# Altium PCB ControlBoard.PcbDoc
Units mil, origin at the board's own origin, x right, y up, seen from the top; angles counter-clockwise.
Board outline 3385.83 x 2488.19 mil, 2 copper layers (Top Layer, Bottom Layer); 86 components, 104 nets, 311 pads, 26 vias.
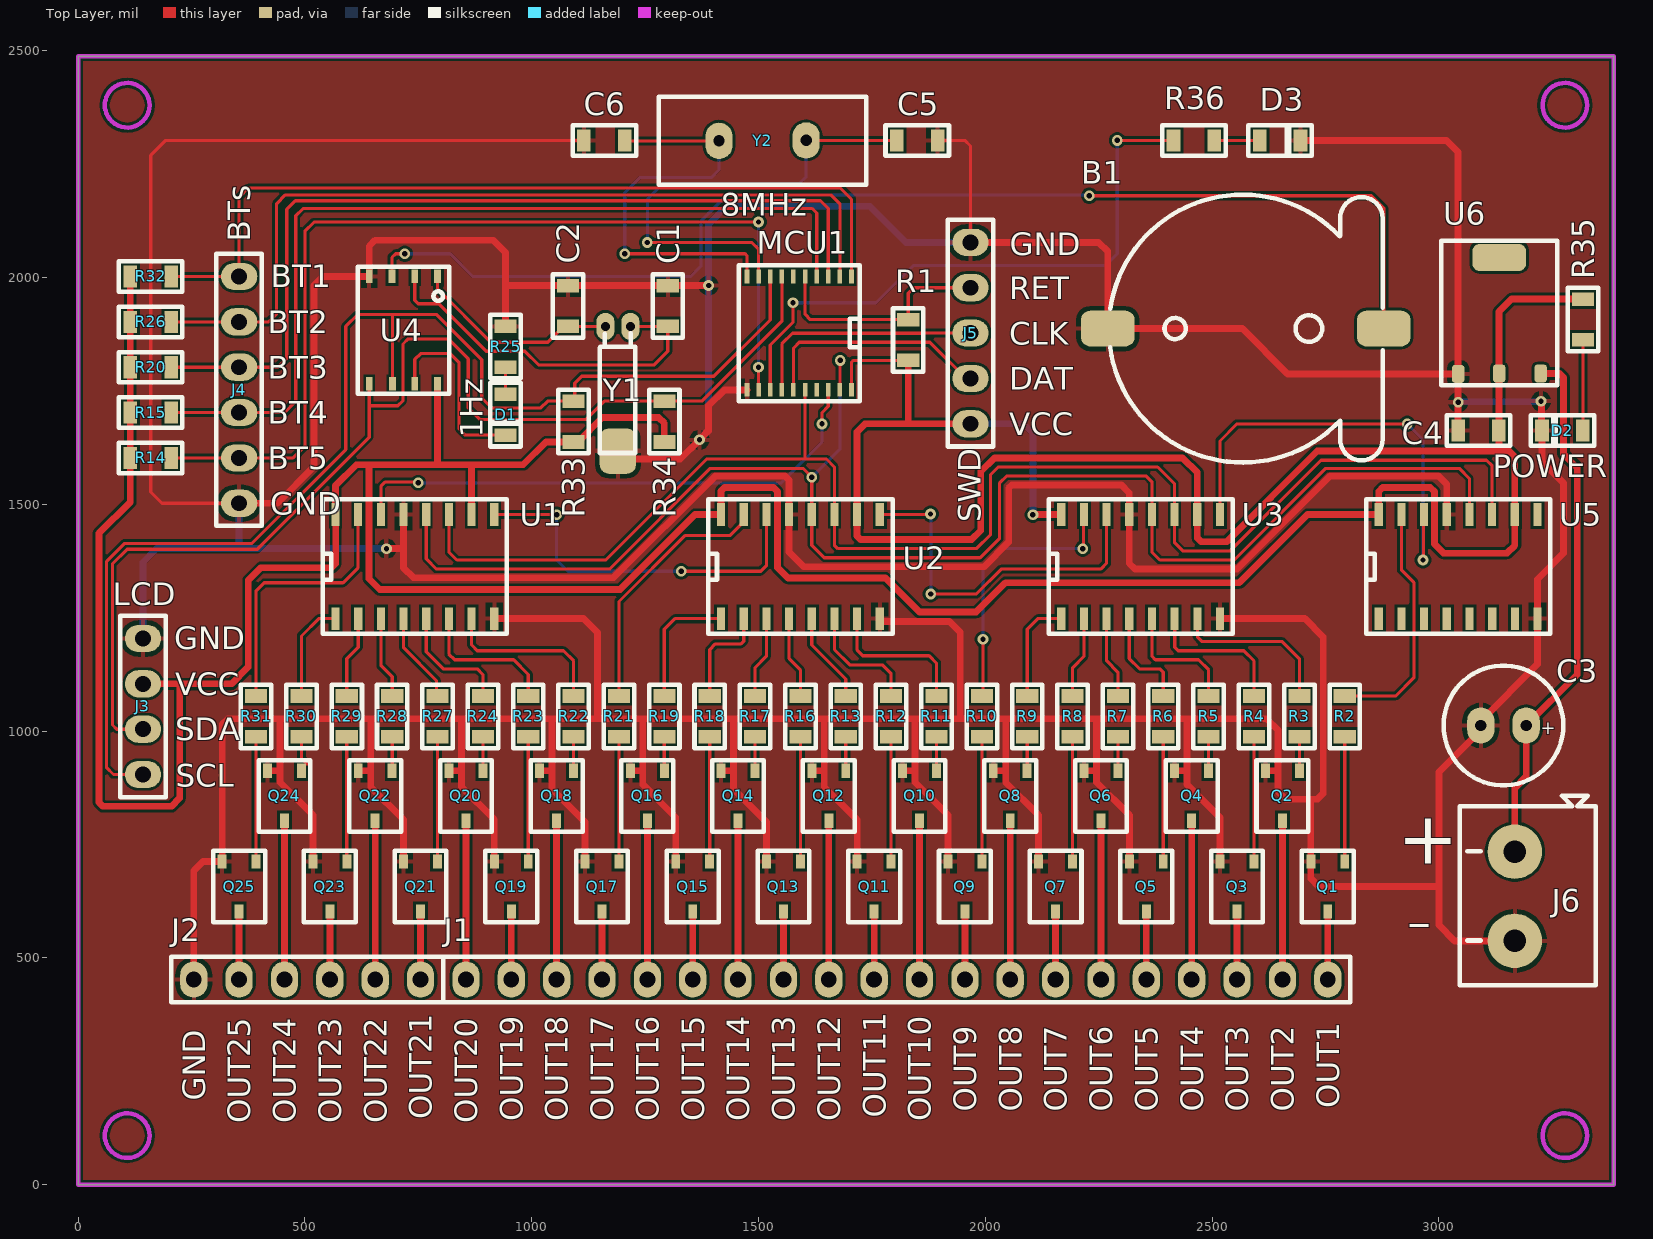
[diagram p0: Top Layer view]
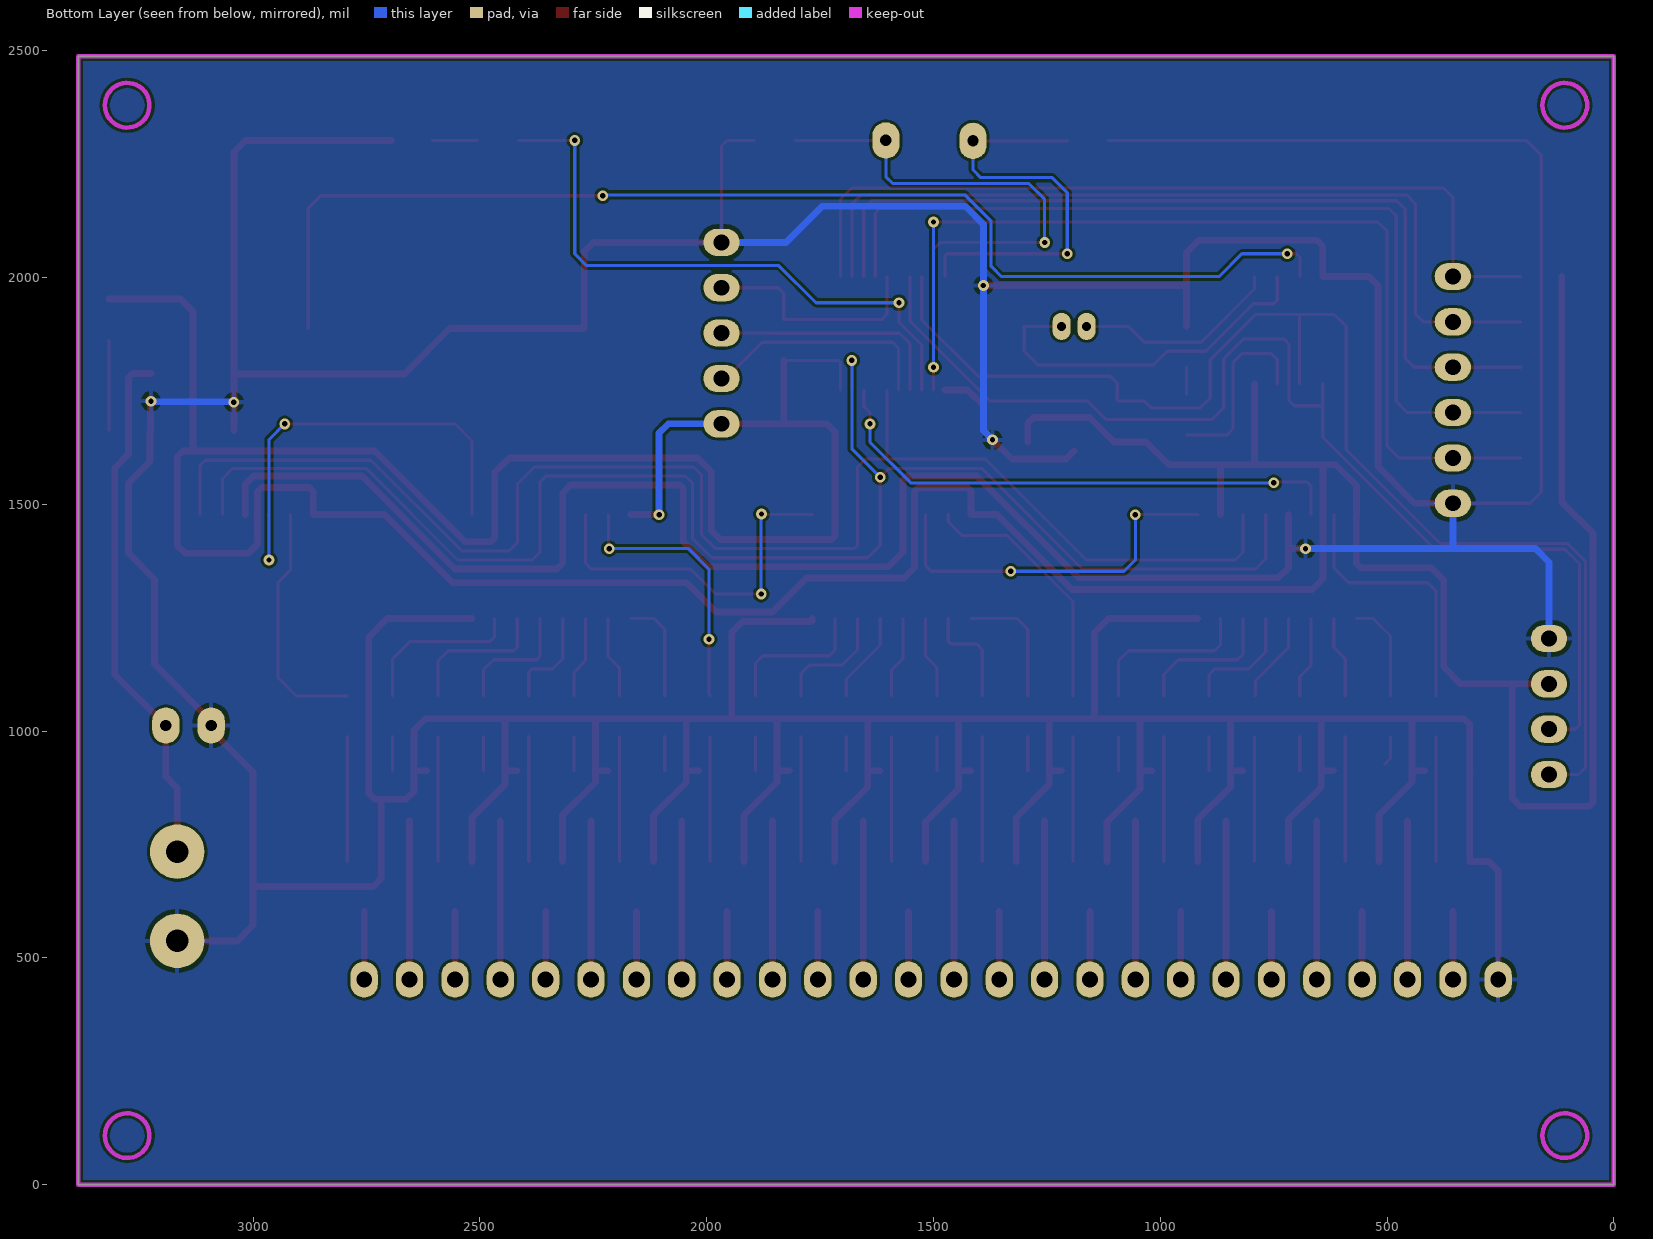
[diagram p1: Bottom Layer view, seen from below]
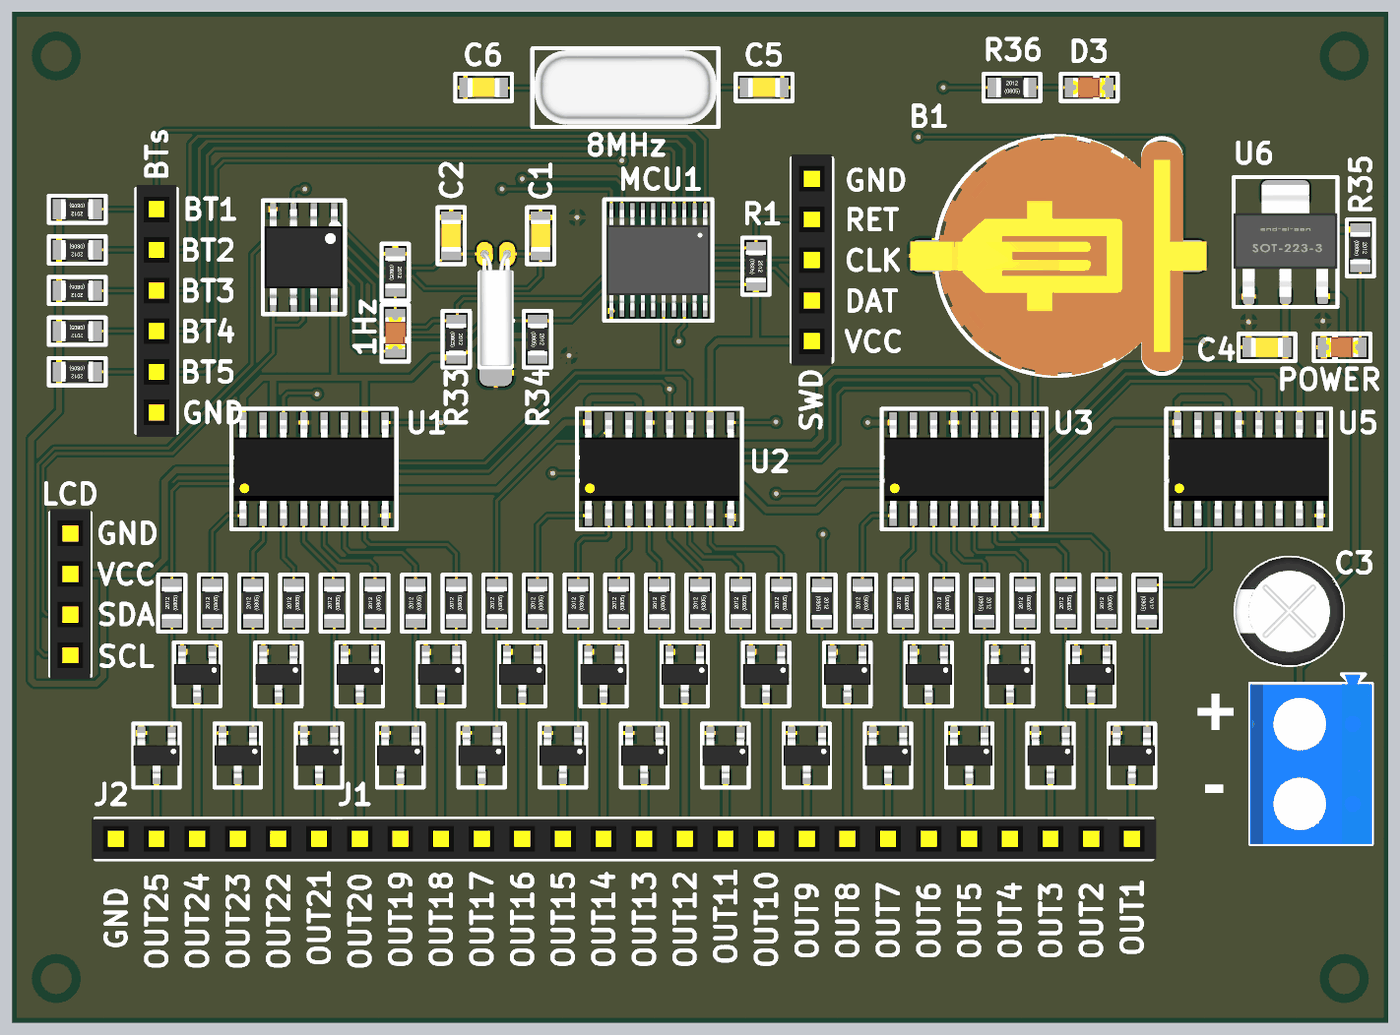
[diagram p2: 3D render of the assembled board from above, using the file's embedded part models]

## Layer stack, top to bottom
Top Solder: solder mask 0.4, Solder Resist, Dk 3.5
Top Layer: signal copper 1.4
Dielectric 1: dielectric 12.6, FR-4, Dk 4.8
Bottom Layer: signal copper 1.4
Bottom Solder: solder mask 0.4, Solder Resist, Dk 3.5

## Board outline
0,0 3385.82,0 3385.82,2488.19 0,2488.19

## Design rules (kind name [scope] priority, off if disabled: settings)
Clearance [All] p1: gap=5.91 ignorepadtopadclearanceinfootprint=FALSE
PolygonConnect [All] p1: connectstyle=Relief reliefconductorwidth=10 reliefentries=4 polygonreliefangle="90 Angle" airgapwidth=10
RoutingVias [All] p1: holewidth=11.81 width=23.62 viastyle="Through Hole" minholewidth=11.81 minwidth=23.62 maxholewidth=11.81 maxwidth=23.62
SolderMaskExpansion [All] p1: expansion=4 istentingtop=FALSE
Width [All] p1: maxlimit=15 minlimit=7 preferedwidth=10
30 further rules are at their usual default settings.

## Components (designator, comment, footprint, x,y, rotation, side; value= is the part's Value field where it differs from the comment)
B1 "Batery" CR1220 2567.41,1887.56 r90 top
C1 "104" C0805 1300,1937.32 r90 top
C2 "104" C0805 1080,1937.32 r90 top
C3 "10uF" CAP_RAD_D06.3x11 3142.41,1012.56 r180 top
C4 "104" C0805 3087.41,1662.56 r0 top
C5 "104" C0805 1850,2302.32 r0 top
C6 "104" C0805 1160,2302.32 r180 top
D1 "1Hz" L0805RED 942.41,1697.56 r270 top
D2 "POWER" L0805RED 3272.41,1662.56 r180 top
D3 "TEST" L0805RED 2650,2302.32 r0 top
J1 "HEADER-FEMALE-2.54MM" HEADER-FEMALE-20PINS-2.54MM 1805,452.32 r180 top
J2 "HEADER-FEMALE-2.54MM" HEADER-FEMALE-06PINS-2.54MM 505,452.32 r180 top
J3 "LCD" HEADER-FEMALE-04PINS-2.54MM 143,1054.32 r270 top
J4 "BTs" HEADER-FEMALE-06PINS-2.54MM 355,1752.32 r270 top
J5 "SWD" HEADER-FEMALE-05PINS-2.54MM 1967.41,1877.56 r90 top
J6 "KF306" DG306-5.0-02P-12-00AH 3167.41,635.98 r270 top
MCU1 "Mini58FDE" TSSOP20_0.65_4.4 1589.85,1877.32 r270 top
Q1 "2N3904" SOT23-3 2755,657.44 r180 top
Q2 "2N3904" SOT23-3 2655,857.44 r180 top
Q3 "2N3904" SOT23-3 2555,657.44 r180 top
Q4 "2N3904" SOT23-3 2455,857.44 r180 top
Q5 "2N3904" SOT23-3 2355,657.44 r180 top
Q6 "2N3904" SOT23-3 2255,857.44 r180 top
Q7 "2N3904" SOT23-3 2155,657.44 r180 top
Q8 "2N3904" SOT23-3 2055,857.44 r180 top
Q9 "2N3904" SOT23-3 1955,657.44 r180 top
Q10 "2N3904" SOT23-3 1855,857.44 r180 top
Q11 "2N3904" SOT23-3 1755,657.44 r180 top
Q12 "2N3904" SOT23-3 1655,857.44 r180 top
Q13 "2N3904" SOT23-3 1555,657.44 r180 top
Q14 "2N3904" SOT23-3 1455,857.44 r180 top
Q15 "2N3904" SOT23-3 1355,657.44 r180 top
Q16 "2N3904" SOT23-3 1255,857.44 r180 top
Q17 "2N3904" SOT23-3 1155,657.44 r180 top
Q18 "2N3904" SOT23-3 1055,857.44 r180 top
Q19 "2N3904" SOT23-3 955,657.44 r180 top
Q20 "2N3904" SOT23-3 855,857.44 r180 top
Q21 "2N3904" SOT23-3 755,657.44 r180 top
Q22 "2N3904" SOT23-3 655,857.44 r180 top
Q23 "2N3904" SOT23-3 555,657.44 r180 top
Q24 "2N3904" SOT23-3 455,857.44 r180 top
Q25 "2N3904" SOT23-3 355,657.44 r180 top
R1 "10k" R0805 1830,1862.32 r270 top
R2 "10k" R0805 2792.41,1032.56 r270 top
R3 "10k" R0805 2692.41,1032.56 r90 top
R4 "10k" R0805 2592.41,1032.56 r90 top
R5 "10k" R0805 2492.41,1032.56 r90 top
R6 "10k" R0805 2392.41,1032.56 r270 top
R7 "10k" R0805 2292.41,1032.56 r90 top
R8 "10k" R0805 2192.41,1032.56 r90 top
R9 "10k" R0805 2092.41,1032.56 r90 top
R10 "10k" R0805 1992.41,1032.56 r270 top
R11 "10k" R0805 1892.41,1032.56 r90 top
R12 "10k" R0805 1792.41,1032.56 r90 top
R13 "10k" R0805 1692.41,1032.56 r90 top
R14 "10k" R0805 160,1602.32 r180 top
R15 "10k" R0805 160,1702.32 r180 top
R16 "10k" R0805 1592.41,1032.56 r90 top
R17 "10k" R0805 1492.41,1032.56 r90 top
R18 "10k" R0805 1392.41,1032.56 r90 top
R19 "10k" R0805 1292.41,1032.56 r90 top
R20 "10k" R0805 160,1802.32 r180 top
R21 "10k" R0805 1192.41,1032.56 r90 top
R22 "10k" R0805 1092.41,1032.56 r90 top
R23 "10k" R0805 992.41,1032.56 r90 top
R24 "10k" R0805 892.41,1032.56 r90 top
R25 "10k" R0805 942.41,1847.56 r270 top
R26 "10k" R0805 160,1902.32 r180 top
R27 "10k" R0805 792.41,1032.56 r90 top
R28 "10k" R0805 692.41,1032.56 r90 top
R29 "10k" R0805 592.41,1032.56 r90 top
R30 "10k" R0805 492.41,1032.56 r90 top
R31 "10k" R0805 392.41,1032.56 r90 top
R32 "10k" R0805 160,2002.32 r180 top
R33 "10k" R0805 1092.41,1682.56 r270 top
R34 "10k" R0805 1292.41,1682.56 r270 top
R35 "10k" R0805 3317.41,1907.56 r270 top
R36 "10k" R0805 2460,2302.32 r0 top
U1 "74HC595D" SO16 742.45,1362.77 r90 top
U2 "74HC595D" SO16 1592.45,1362.77 r90 top
U3 "74HC595D" SO16 2342.45,1362.77 r90 top
U4 "RealTime" SOIC08_1.27_6.0 717.11,1884.29 r270 top
U5 "74HC595D" SO16 3042.45,1362.77 r90 top
U6 "AMS1117" SOT223-3 3132.96,1924.37 r0 top
Y1 "32.768KHz" DT-26 1190,1892.32 r90 top
Y2 "8MHz" HC-49S 1412.88,2302.32 r0 top

## Footprints (in the part's own frame and the unit in brackets; to place one, negate y for a bottom-side part, rotate by r counter-clockwise, add the part's x,y. Pads: shape width x height; smd on the part's side, far side on the other; paste and mask are expansions set on the pad)
C0805 [mil]
  rect 30x48.82 smd: 1(-45,0) 2(45,0)
  silkscreen extent -70,-33 70,33, body extent -39,-24 39,24, height 39
CAP_RAD_D06.3x11 [mil]
  oval 60x80 hole 25: 1(-50,0) 2(50,0)
  silkscreen extent -132,-132 132,132, body extent -134,-134 134,134, height 492
CR1220 [mm]
  rrect50% 2x3 smd: 1(0,-7.9) 2(0,7.55)
  silkscreen extent -7.5,-7.84 7.5,7.43, body extent -7.5,-9.42 7.5,9.07, height 4.04
DG306-5.0-02P-12-00AH [mil] "• Current rating: 10 A AC/DC  • Voltage rating: 300 V AC/DC  • Temperature range: -30° ~ +120°  • Applicable wire: 22-14AWG UL (0.5 - 1.5mm² IEC)"
  round 120 hole 50: 1(-98.43,0) 2(98.43,0)
  silkscreen extent -221,-121 197,178, body extent -221,-121 196,178, height 394
DT-26 [mil]
  oval 60x40 hole 20: 1(0,27.56) 2(0,-27.56)
  rrect50% 100x80 smd: 3(-275,0)
  silkscreen extent -279,-38 -15,40, body extent -275,-39 6,39, height 79
HC-49S [mil]
  oval 60x80 hole 25: 1(0,-1) 2(192.13,0)
  silkscreen extent -133,-97 325,96, body extent -127,-92 319,92, height 138
HEADER-FEMALE-04PINS-2.54MM [mil]
  oval 60x80 hole 35: 1(-150,0) 2(-50,0) 3(50,0) 4(150,0)
  silkscreen extent -200,-50 200,50, body extent -210,-49 210,49, height 197
HEADER-FEMALE-05PINS-2.54MM [mil]
  oval 60x80 hole 35: 1(-200,0) 2(-100,0) 3(0,0) 4(100,0) 5(200,0)
  silkscreen extent -250,-50 250,50, body extent -260,-49 260,49, height 197
HEADER-FEMALE-06PINS-2.54MM [mil]
  oval 60x80 hole 35: 1(-250,0) 2(-150,0) 3(-50,0) 4(50,0) 5(150,0) 6(250,0)
  silkscreen extent -300,-50 300,50, body extent -310,-49 310,49, height 197
HEADER-FEMALE-20PINS-2.54MM [mil]
  oval 60x80 hole 35: 1(-950,0) 2(-850,0) 3(-750,0) 4(-650,0) 5(-550,0) 6(-450,0) 7(-350,0) 8(-250,0) 9(-150,0) 10(-50,0) 11(50,0) 12(150,0) 13(250,0) 14(350,0) 15(450,0) 16(550,0) 17(650,0) 18(750,0) 19(850,0) 20(950,0)
  silkscreen extent -1000,-50 1000,50, body extent -1010,-49 1010,49, height 197
L0805RED [mil]
  rect 30x48.82 smd: 1(-45,0) 2(45,0)
  silkscreen extent -70,-35 70,35, body extent -39,-25 39,25, height 43
R0805 [mil]
  rect 30x48.82 smd: 1(-45,0) 2(45,0)
  silkscreen extent -70,-33 70,33, body extent -39,-25 40,25, height 18
SO16 [mil]
  rect 50x18 smd: 1(-114.78,174.95) 2(-114.78,124.95) 3(-114.78,74.95) 4(-114.78,24.95) 5(-114.78,-25.05) 6(-114.78,-75.05) 7(-114.78,-125.05) 8(-114.78,-175.05) 9(114.78,-174.95) 10(114.78,-124.95) 11(114.78,-74.95) 12(114.78,-24.95) 13(114.78,25.05) 14(114.78,75.05) 15(114.78,125.05) 16(114.78,175.05)
  silkscreen extent -148,-203 149,203, body extent -121,-196 121,196, height 69
SOIC08_1.27_6.0 [mil]
  rect 30x15 smd: 1(-118.27,75.3) 2(-118.27,25.1) 3(-118.27,-25.1) 4(-118.27,-75.3) 5(118.27,-75.3) 6(118.27,-24.11) 7(118.27,25.1) 8(118.27,75.3)
  silkscreen extent -140,-101 140,101, body extent -118,-96 118,96, height 69
SOT23-3 [mm]
  rect 0.5x0.8 smd: 1(-0.95,-1.4) 2(0.95,-1.4) 3(0,1.4)
  silkscreen extent -1.45,-2 1.45,2, body extent -1.45,-1.4 1.45,1.4, height 1.3
SOT223-3 [mm]
  rrect50% 0.7x1 smd: 1(-2.3,-3.475) 2(0,-3.45) 3(2.325,-3.45)
  rrect50% 3x1.5 smd: 4(0,3.048)
  silkscreen extent -3.25,-4.11 3.25,3.99, body extent -3.25,-3.5 3.25,3.5, height 1.7
TSSOP20_0.65_4.4 [mil]
  rect 30x10 smd: 1(-125,115.16) 2(-125,89.57) 3(-125,63.98) 4(-125,38.39) 5(-125,12.8) 6(-125,-12.8) 7(-125,-38.39) 8(-125,-63.98) 9(-125,-89.57) 10(-125,-115.16) 11(125,-115.16) 12(125,-89.57) 13(125,-63.98) 14(125,-38.39) 15(125,-12.8) 16(125,12.8) 17(125,38.39) 18(125,63.98) 19(125,89.57) 20(125,115.16)
  silkscreen extent -150,-133 150,133, body extent -124,-128 124,128, height 43

## Part data
C1 C2 C4 C5 C6: library part Capacitors(SMD)
C3: library part Capacitor(Radian)
D1 D2 D3: library part LED0805
J1: library part HEADER-FEMALE-20PINS-2.54MM
J2 J4: library part HEADER-FEMALE-06PINS-2.54MM
J3: library part HEADER-FEMALE-04PINS-2.54MM
J5: library part HEADER-FEMALE-05PINS-2.54MM
J6: library part DG306-5.0-02P-12-00AH
MCU1: library part Mcu-Mini58FDE, "Novoton 4Kb-RAM 32Kb-Flash"
Q1 Q2 Q3 Q4 Q5 Q6 Q7 Q8 Q9 Q10 Q11 Q12 Q13 Q14 Q15 Q16 Q17 Q18 Q19 Q20 Q21 Q22 Q23 Q24 Q25: library part "Transistor-2N3904 (SOT-23)"
R1 R2 R3 R4 R5 R6 R7 R8 R9 R10 R11 R12 R13 R14 R15 R16 R17 R18 R19 R20 R21 R22 R23 R24 R25 R26 R27 R28 R29 R30 R31 R32 R33 R34 R35 R36: library part Resistors-SMD
U1 U2 U3 U5: library part Ic-74HC595D
U4: library part RealTime-DS1307
U6: library part Ic-AMS1117(SOT-223)
Y1: library part "Crystal 32.768KHz"
Y2: library part Crystal

## Via types
v1: diameter 23.62, hole 11.81, Top Layer to Bottom Layer, tented both sides, 26 vias

## Nets (pads, with @x,y where several pads share a name; then routed paths per layer and width w, separated by ;. In a path a pad name is that pad's centre, name@x,y a point inside that pad or via, vN(x,y) a via of type N, cw(c..) or ccw(c..) an arc to the next point about the centre after c; other vN are vias at no path point)
BT1: J4.1 MCU1.1 R32.1 | length 1863.6
  Top Layer w7: R32.1 J4.1 355,2177.32 375,2197.32 1680,2197.32 1705,2172.32 MCU1.1
BT2: J4.2 MCU1.2 R26.1 | length 1901
  Top Layer w7: R26.1 J4.2 420,1902.32 437.5,1919.82 437.5,2162.82 457,2182.32 1659.41,2182.32 1679.41,2162.32 MCU1.2
BT3: J4.3 MCU1.3 R20.1 | length 1950.1
  Top Layer w7: R20.1 J4.3 440,1802.32 460,1822.32 460,2150.32 479.1,2169.42 1636.73,2169.42 1653.82,2152.32 MCU1.3
BT4: J4.4 MCU1.4 R15.1 | length 1993.4
  Top Layer w7: R15.1 J4.4 455,1702.32 480,1727.32 480,2136.32 496,2152.32 1618.23,2152.32 1628.23,2142.32 MCU1.4
BT5: J4.5 MCU1.12 R14.1 | length 2158.2
  Top Layer w7: R14.1 J4.5 474,1602.32 500,1628.32 500,2102.32 520,2122.32 v1(1500,2122.32) ; v1(1500,1802.32) 1500.28,1802.05 MCU1.12
  Bottom Layer w7: v1(1500,1802.32) v1(1500,2122.32)
GND: B1.2 C1.2 C2.2 C3.2 C4.1 C5.2 C6.2 D2.2 D3.2 J2.6 J3.1 J4.6 J5.5 J6.2 MCU1.11 Q1.2 Q2.2 Q3.2 Q4.2 Q5.2 Q6.2 Q7.2 Q8.2 Q9.2 Q10.2 Q11.2 Q12.2 Q13.2 Q14.2 Q15.2 Q16.2 Q17.2 Q18.2 Q19.2 Q20.2 Q21.2 Q22.2 Q23.2 Q24.2 Q25.2 R25.1 U1.8 U1.13 U2.8 U2.13 U3.8 U3.13 U4.4 U5.8 U5.13 U6.1 Y1.3 | length 22557.7
  Top Layer w7: J4.6 185,1502.32 160,1527.32 160,2269.32 193,2302.32 C6.2 ; C5.2 1955,2302.32 1967.41,2289.92 J5.5
  Top Layer w15: J2.6 255,692.32 275.24,712.56 Q25.2 317.6,902.32 ; 317.37,902.56 317.6,902.32 ; J4.6 439,1502.32 520,1583.32 520,1982.32 540.24,2002.56 U4.4 641.81,2069.13 655,2082.32 915,2082.32 942.41,2054.92 942.41,1982.32 ; Q24.2 444.77,912.56 445,912.32 ; Q23.2 517.6,814.72 445,887.32 445,912.32 ; Q22.2 644.77,912.56 645,912.32 ; v1(680,1402.32) 717.41,1402.32 ; U1.13 717.41,1402.32 ; Q21.2 717.6,804.72 645,877.32 645,912.32 ; Q20.2 844.77,912.56 845,912.32 ; U1.8 1114.33,1247.99 1145,1217.32 1145,1027.32 ; Q19.2 917.6,804.72 845,877.32 845,912.32 ; R25.1 942.41,1982.32 ; Q18.2 1044.77,912.56 1045,912.32 ; Q17.2 1117.6,799.72 1045,872.32 1045,912.32 ; Y1.3 1207.5,1599.82 1327.5,1599.82 v1(1370,1642.32) 1390,1662.32 1390,1717.32 1425,1752.32 MCU1.11 ; Q16.2 1244.77,912.56 1245,912.32 ; Q15.2 1317.6,809.72 1245,882.32 1245,912.32 ; v1(1390,1982.32) C1.2 C2.2 942.41,1982.32 ; Q14.2 1444.77,912.56 1445,912.32 ; Q13.2 1517.6,799.72 1445,872.32 1445,912.32 ; Q12.2 1644.77,912.56 1645,912.32 ; Q11.2 1717.6,804.72 1645,877.32 1645,912.32 ; U2.8 1767.5,1242.92 1769,1241.42 1920.91,1241.42 1945,1217.32 1945,1027.32 ; Q10.2 1844.77,912.56 1845,912.32 ; Q9.2 1917.6,814.72 1845,887.32 1845,912.32 ; J5.5 2249.77,2077.56 2270.16,2057.16 B1.2 2566.7,1887.56 2666.7,1787.56 U6.1 ; Q8.2 2044.77,912.56 2045,912.32 ; Q7.2 2117.6,814.72 2045,887.32 2045,912.32 ; Q6.2 2244.77,912.56 2245,912.32 ; Q5.2 2317.6,814.72 2245,887.32 2245,912.32 ; Q4.2 2444.77,912.56 2445,912.32 ; U3.8 2704.33,1247.99 2745,1207.32 2745,862.32 2732.6,849.92 2662.41,849.92 2645,867.32 2645,912.32 ; Q3.2 2517.6,809.72 2445,882.32 2445,912.32 ; Q2.2 2644.77,912.56 2645,912.32 ; D3.2 3017,2302.32 3042.41,2276.92 U6.1 ; 2717.6,847.32 Q1.2 2717.6,674.72 2735,657.32 3000,657.32 ; U5.13 3017.41,1544.06 2999.15,1562.32 2760.44,1562.32 2555.44,1357.32 2330,1357.32 2317.41,1369.92 U3.13 2317.41,1524.92 2300,1542.32 2058.32,1542.32 2051.65,1535.64 2051.65,1417.01 1996.96,1362.32 1600,1362.32 1567.41,1394.92 U2.13 1567.41,1553.53 1558.62,1562.32 1404.86,1562.32 1180.76,1338.23 739.1,1338.23 717.41,1359.92 717.41,1402.32 ; C4.1 v1(3042.41,1725.06) U6.1 ; J6.2 3034.77,537.56 3000,572.32 3000,657.32 ; v1(3225,1727.32) 3226.2,1726.12 3226.2,1663.76 D2.2 3227.41,1594.92 3275,1547.32 3275,1392.32 3217.5,1334.81 U5.8 3217.5,1147.65 3092.41,1022.56 C3.2 3092.41,1002.56 3000,910.16 3000,657.32 ; 317.6,902.32 317.6,1014.92 330,1027.32 445,1027.32 ; 445,912.32 445,1027.32 ; 445,1027.32 645,1027.32 ; 645,912.32 645,1027.32 ; 645,1027.32 845,1027.32 ; 845,912.32 845,1027.32 ; 845,1027.32 1045,1027.32 ; 1045,912.32 1045,1027.32 ; 1045,1027.32 1145,1027.32 ; 1145,1027.32 1245,1027.32 ; 1245,912.32 1245,1027.32 ; 1245,1027.32 1445,1027.32 ; 1445,912.32 1445,1027.32 ; 1445,1027.32 1645,1027.32 ; 1645,912.32 1645,1027.32 ; 1645,1027.32 1845,1027.32 ; 1845,912.32 1845,1027.32 ; 1845,1027.32 1945,1027.32 ; 1945,1027.32 2045,1027.32 ; 2045,912.32 2045,1027.32 ; 2045,1027.32 2245,1027.32 ; 2245,912.32 2245,1027.32 ; 2245,1027.32 2445,1027.32 ; 2445,912.32 2445,1027.32 ; 2445,1027.32 2620,1027.32 2645,1002.32 2645,912.32
  Bottom Layer w15: J3.1 143,1372.32 173,1402.32 v1(680,1402.32) ; 355,1404.32 J4.6 ; v1(1370,1642.32) 1390,1662.32 v1(1390,1982.32) 1390,2117.32 1430,2157.32 1745,2157.32 1825,2077.32 1967.17,2077.32 J5.5 ; v1(3042.41,1725.06) 3043.54,1726.19 3223.87,1726.19 v1(3225,1727.32)
IN1: R2.1 U5.15 | length 540.7
  Top Layer w7: R2.1 2905.24,1077.56 2945,1117.32 2945,1327.89 2917.41,1355.49 U5.15
IN2: R3.2 U3.7 | length 367.2
  Top Layer w7: U3.7 2467.5,1207.99 2478.17,1197.32 2655,1197.32 2692.41,1159.92 R3.2
IN3: R4.2 U3.6 | length 327.8
  Top Layer w7: U3.6 2417.5,1184.83 2425,1177.32 2570,1177.32 2592.41,1154.92 R4.2
IN4: R5.2 U3.5 | length 277.8
  Top Layer w7: U3.5 2367.5,1164.83 2375,1157.32 2470,1157.32 2492.41,1134.92 R5.2
IN5: R6.1 U3.4 | length 227.8
  Top Layer w7: U3.4 2317.5,1159.83 2340,1137.32 2385,1137.32 2392.41,1129.92 R6.1
IN6: R7.2 U3.3 | length 180.8
  Top Layer w7: U3.3 2267.5,1154.83 2292.41,1129.92 R7.2
IN7: R8.2 U3.2 | length 180.8
  Top Layer w7: R8.2 2192.41,1139.72 2217.5,1164.81 U3.2
IN8: R9.2 U3.1 | length 231.9
  Top Layer w7: R9.2 2092.41,1224.72 2115.67,1247.99 U3.1
IN9: R10.1 U3.15 | length 595.7
  Top Layer w7: R10.1 1995,1080.16 v1(1995,1202.32) ; v1(2215,1402.32) 2216.2,1403.52 2216.2,1476.36 U3.15
  Bottom Layer w7: v1(1995,1202.32) 1995,1357.32 2040,1402.32 v1(2215,1402.32)
IN10: R11.2 U2.7 | length 328.5
  Top Layer w7: U2.7 1717.5,1178.63 1730,1166.12 1876.2,1166.12 1892.41,1149.92 R11.2
IN11: R12.2 U2.6 | length 264.2
  Top Layer w7: U2.6 1667.5,1179.83 1701.2,1146.12 1772.92,1146.12 1792.41,1126.64 R12.2
IN12: R13.2 U2.5 | length 201.5
  Top Layer w7: U2.5 1617.5,1189.83 1692.41,1114.92 R13.2
IN13: R16.2 U2.4 | length 180.8
  Top Layer w7: U2.4 1567.5,1159.83 1592.41,1134.92 R16.2
IN14: R17.2 U2.3 | length 180.8
  Top Layer w7: R17.2 1492.41,1139.72 1517.5,1164.81 U2.3
IN15: R18.2 U2.2 | length 234.7
  Top Layer w7: R18.2 1392.41,1179.72 1405,1192.32 1461.64,1192.32 1467.5,1198.18 U2.2
IN16: R19.2 U2.1 | length 281.9
  Top Layer w7: R19.2 1292.41,1224.72 1315.67,1247.99 U2.1
IN17: R21.2 U2.15 | length 572.1
  Top Layer w7: R21.2 1192.41,1285.82 1337.73,1431.14 1436.99,1431.14 1467.41,1461.56 U2.15
IN18: R22.2 U1.7 | length 374.9
  Top Layer w7: U1.7 867.5,1189.83 880,1177.32 1070,1177.32 1092.41,1154.92 R22.2
IN19: R23.2 U1.6 | length 319
  Top Layer w7: U1.6 817.5,1169.83 830,1157.32 960,1157.32 992.41,1124.92 R23.2
IN20: R24.2 U1.5 | length 266.1
  Top Layer w7: U1.5 767.5,1174.83 805,1137.32 880,1137.32 892.41,1124.92 R24.2
IN21: R27.2 U1.4 | length 201.5
  Top Layer w7: U1.4 717.5,1183.65 790,1111.14 790,1079.96 R27.2
IN22: R28.2 U1.3 | length 180.8
  Top Layer w7: U1.3 667.5,1144.83 692.41,1119.92 R28.2
IN23: R29.2 U1.2 | length 180.8
  Top Layer w7: R29.2 592.41,1159.72 617.5,1184.81 U1.2
IN24: R30.2 U1.1 | length 223.1
  Top Layer w7: R30.2 492.41,1209.72 530.67,1247.99 U1.1
IN25: R31.2 U1.15 | length 595.2
  Top Layer w7: R31.2 392.41,1309.72 410,1327.32 584.15,1327.32 617.41,1360.58 U1.15
NetB1_1: B1.1 U4.3 | length 2665.6
  Top Layer w7: U4.3 692.01,2044.33 700,2052.32 v1(720,2052.32) ; v1@2231.34,2182.32 v1(2229.36,2180.34) 2850.99,2180.34 2878.43,2152.9 B1.1
  Bottom Layer w7: v1(720,2052.32) 820,2052.32 870,2002.32 1350.9,2002.32 1373.1,2024.52 1373.1,2124.32 1431.1,2182.32 2227.37,2182.32 v1(2229.36,2180.34)
NetC1_1: C1.1 U4.2 Y1.2 | length 819.3
  Top Layer w7: U4.2 742.21,1950.12 750,1942.32 794.94,1942.32 899.94,1837.32 985,1837.32 1015,1807.32 1270,1807.32 1300,1837.32 C1.1 Y1.2
NetC2_1: C2.1 U4.1 Y1.1 | length 460.9
  Top Layer w7: U4.1 792.41,1974.92 910,1857.32 1035.59,1857.32 1070.59,1892.32 C2.1 Y1.1
NetC3_1: C3.1 J6.1 U6.3 | length 1168.7
  Top Layer w15: J6.1 3167.41,874.72 3192.41,899.72 C3.1 3305,1125.16 3305,1580.42 3274.55,1610.88 3274.55,1779.76 3265.76,1788.54 U6.3
NetD1_1: D1.1 R25.2 | length 60
  Top Layer w7: D1.1 R25.2
NetD1_2: D1.2 U4.7 | length 419.1
  Top Layer w7: U4.7 742.21,1819.53 755,1832.32 820.09,1832.32 840,1812.41 840,1666.14 853.59,1652.56 D1.2
NetD2_1: D2.1 R35.2 | length 200
  Top Layer w7: D2.1 R35.2
NetD3_1: D3.1 R36.2 | length 100
  Top Layer w7: R36.2 D3.1
NetJ5_2: J5.2 MCU1.15 | length 520.8
  Top Layer w7: MCU1.15 1577.05,1844.37 1590,1857.32 1877.64,1857.32 1957.41,1777.56 J5.2
NetJ5_3: J5.3 MCU1.14 | length 527.3
  Top Layer w7: MCU1.14 1551.46,1853.78 1575,1877.32 1860.63,1877.32 1860.86,1877.56 J5.3
NetMCU1_13: MCU1.13 R36.1 | length 1346.5
  Top Layer w7: MCU1.13 1525.87,1851.19 1576,1901.32 v1(1576,1944.32) ; v1(2291,2302.32) R36.1
  Bottom Layer w7: v1(1576,1944.32) 1759,1944.32 1841,2026.32 2265,2026.32 2291,2052.32 v1(2291,2302.32)
NetMCU1_16: MCU1.16 U1.11 U2.11 U3.11 U5.11 | length 3317.4
  Top Layer w7: U1.11 817.41,1394.92 835,1377.32 1163.29,1377.32 1385.89,1599.92 1602.64,1599.92 ; MCU1.16 1602.64,1599.92 ; U5.11 3117.41,1584.92 3105,1597.32 2740.15,1597.32 2540.15,1397.32 2435,1397.32 2417.41,1414.92 U3.11 2417.41,1544.92 2380,1582.32 2028.29,1582.32 2011.65,1565.68 2011.65,1433.58 1980.39,1402.32 1675,1402.32 1667.41,1409.92 U2.11 1667.41,1582.32 1649.81,1599.92 1602.64,1599.92
NetMCU1_18: MCU1.18 U1.14 | length 1197.7
  Top Layer w7: U1.14 667.41,1539.53 677.48,1549.61 747.72,1549.61 v1(750,1547.32) ; v1(1640,1677.32) 1640,1702.32 1653.82,1716.14 MCU1.18
  Bottom Layer w7: v1(750,1547.32) 1550,1547.32 1640,1637.32 v1(1640,1677.32)
NetMCU1_19: MCU1.19 U1.12 U2.12 U3.12 U5.12 | length 3502.5
  Top Layer w7: U1.12 767.41,1379.92 790,1357.32 1171.57,1357.32 1393.48,1579.23 1598.1,1579.23 v1(1617.41,1559.92) U2.12 1617.41,1409.92 1645,1382.32 1988.67,1382.32 2031.65,1425.3 2031.65,1547.32 2046.65,1562.32 2355,1562.32 2367.41,1549.92 U3.12 2367.41,1394.92 2385,1377.32 2548.44,1377.32 2750.34,1579.23 3044.81,1579.23 3067.41,1556.64 U5.12 ; MCU1.19 1679.41,1816.73 v1(1680,1817.32)
  Bottom Layer w7: v1(1617.41,1559.92) 1680,1622.52 v1(1680,1817.32)
NetQ1_1: Q1.1 R2.2 | length 275
  Top Layer w7: Q1.1 R2.2
NetQ2_1: Q2.1 R3.1 | length 75
  Top Layer w7: Q2.1 R3.1
NetQ3_1: Q3.1 R4.1 | length 275
  Top Layer w7: Q3.1 R4.1
NetQ4_1: Q4.1 R5.1 | length 75
  Top Layer w7: Q4.1 R5.1
NetQ5_1: Q5.1 R6.2 | length 275
  Top Layer w7: Q5.1 R6.2
NetQ6_1: Q6.1 R7.1 | length 75
  Top Layer w7: Q6.1 R7.1
NetQ7_1: Q7.1 R8.1 | length 275
  Top Layer w7: Q7.1 R8.1
NetQ8_1: Q8.1 R9.1 | length 75
  Top Layer w7: Q8.1 R9.1
NetQ9_1: Q9.1 R10.2 | length 275
  Top Layer w7: Q9.1 R10.2
NetQ10_1: Q10.1 R11.1 | length 75
  Top Layer w7: Q10.1 R11.1
NetQ11_1: Q11.1 R12.1 | length 275
  Top Layer w7: Q11.1 R12.1
NetQ12_1: Q12.1 R13.1 | length 75
  Top Layer w7: Q12.1 R13.1
NetQ13_1: Q13.1 R16.1 | length 275
  Top Layer w7: Q13.1 R16.1
NetQ14_1: Q14.1 R17.1 | length 75
  Top Layer w7: Q14.1 R17.1
NetQ15_1: Q15.1 R18.1 | length 275
  Top Layer w7: Q15.1 R18.1
NetQ16_1: Q16.1 R19.1 | length 75
  Top Layer w7: Q16.1 R19.1
NetQ17_1: Q17.1 R21.1 | length 275
  Top Layer w7: Q17.1 R21.1
NetQ18_1: Q18.1 R22.1 | length 75
  Top Layer w7: Q18.1 R22.1
NetQ19_1: Q19.1 R23.1 | length 275
  Top Layer w7: Q19.1 R23.1
NetQ20_1: Q20.1 R24.1 | length 75
  Top Layer w7: Q20.1 R24.1
NetQ21_1: Q21.1 R27.1 | length 275
  Top Layer w7: Q21.1 R27.1
NetQ22_1: Q22.1 R28.1 | length 75
  Top Layer w7: Q22.1 R28.1
NetQ23_1: Q23.1 R29.1 | length 275
  Top Layer w7: Q23.1 R29.1
NetQ24_1: Q24.1 R30.1 | length 65.5
  Top Layer w7: R30.1 492.41,939.92 505,927.32
NetQ25_1: Q25.1 R31.1 | length 275
  Top Layer w7: Q25.1 R31.1
NetU1_9: U1.9 U2.14 | length 828.4
  Top Layer w7: U1.9 917.64,1477.32 v1(1055,1477.32) ; v1(1330,1352.32) 1505,1352.32 1517.41,1364.72 U2.14
  Bottom Layer w7: v1(1055,1477.32) 1055,1377.32 1080,1352.32 v1(1330,1352.32)
NetU2_9: U2.9 U3.14 | length 813.8
  Top Layer w7: U2.9 1879.77,1477.56 1880,1477.32 1880,1477.98 v1(1879.24,1478.74) ; v1(1880,1302.32) 1980,1302.32 2035,1357.32 2254.15,1357.32 2267.41,1370.58 U3.14
  Bottom Layer w7: v1(1879.24,1478.74) 1880,1477.98 v1(1880,1302.32)
NetU3_9: U3.9 U5.14 | length 1006.1
  Top Layer w7: U3.9 2517.41,1639.72 2555,1677.32 v1(2930,1677.32) ; v1(2965,1377.32) 2966.2,1378.52 2966.2,1476.36 U5.14
  Bottom Layer w7: v1(2930,1677.32) 2965,1642.32 v1(2965,1377.32)
nRESET: J5.4 MCU1.5 R1.1 | length 516.2
  Top Layer w7: MCU1.5 1602.64,1918.68 1614,1907.32 R1.1 1830,1965.32 1842.24,1977.56 J5.4
O1: J1.1 Q1.3 | length 150
  Top Layer w15: J1.1 Q1.3
O2: J1.2 Q2.3 | length 350
  Top Layer w15: J1.2 Q2.3
O3: J1.3 Q3.3 | length 150
  Top Layer w15: J1.3 Q3.3
O4: J1.4 Q4.3 | length 350
  Top Layer w15: J1.4 Q4.3
O5: J1.5 Q5.3 | length 150
  Top Layer w15: J1.5 Q5.3
O6: J1.6 Q6.3 | length 350
  Top Layer w15: J1.6 Q6.3
O7: J1.7 Q7.3 | length 150
  Top Layer w15: J1.7 Q7.3
O8: J1.8 Q8.3 | length 350
  Top Layer w15: J1.8 Q8.3
O9: J1.9 Q9.3 | length 150
  Top Layer w15: J1.9 Q9.3
O10: J1.10 Q10.3 | length 350
  Top Layer w15: J1.10 Q10.3
O11: J1.11 Q11.3 | length 150
  Top Layer w15: J1.11 Q11.3
O12: J1.12 Q12.3 | length 350
  Top Layer w15: J1.12 Q12.3
O13: J1.13 Q13.3 | length 150
  Top Layer w15: J1.13 Q13.3
O14: J1.14 Q14.3 | length 350
  Top Layer w15: J1.14 Q14.3
O15: J1.15 Q15.3 | length 150
  Top Layer w15: J1.15 Q15.3
O16: J1.16 Q16.3 | length 350
  Top Layer w15: J1.16 Q16.3
O17: J1.17 Q17.3 | length 150
  Top Layer w15: J1.17 Q17.3
O18: J1.18 Q18.3 | length 350
  Top Layer w15: J1.18 Q18.3
O19: J1.19 Q19.3 | length 150
  Top Layer w15: J1.19 Q19.3
O20: J1.20 Q20.3 | length 350
  Top Layer w15: J1.20 Q20.3
O21: J2.1 Q21.3 | length 150
  Top Layer w15: J2.1 Q21.3
O22: J2.2 Q22.3 | length 350
  Top Layer w15: J2.2 Q22.3
O23: J2.3 Q23.3 | length 150
  Top Layer w15: J2.3 Q23.3
O24: J2.4 Q24.3 | length 350
  Top Layer w15: J2.4 Q24.3
O25: J2.5 Q25.3 | length 150
  Top Layer w15: J2.5 Q25.3
OSC1: C5.1 MCU1.9 Y2.2 | length 1057
  Top Layer w7: v1(1255,2077.32) 1485,2077.32 1500.28,2062.05 MCU1.9 ; Y2.2 C5.1
  Bottom Layer w7: v1(1255,2077.32) 1255,2172.32 1290,2207.32 1590,2207.32 1605,2222.32 Y2.2
OSC2: C6.1 MCU1.10 Y2.1 | length 953.2
  Top Layer w7: v1(1205,2052.32) 1470.59,2052.32 1474.69,2048.22 MCU1.10 ; C6.1 1206,2301.32 Y2.1
  Bottom Layer w7: v1(1205,2052.32) 1205,2187.32 1237.91,2220.23 1395.78,2220.23 1412.88,2237.32 Y2.1
SCL: J3.4 MCU1.8 R33.1 U4.6 | length 2874.3
  Top Layer w7: J3.4 78,904.32 62.91,919.42 62.91,1374.23 102.65,1413.96 383.36,1413.96 590,1620.61 590,1892.32 615.86,1918.18 695,1918.18 ; U4.6 693,1916.17 695,1918.18 ; MCU1.8 1525.87,1906.47 1401.72,1782.32 1110,1782.32 1095,1767.32 1095,1730.16 R33.1 1035,1727.56 1020,1712.56 911.78,1712.56 890,1734.34 890,1818.98 790.8,1918.18 695,1918.18
SDA: J3.3 MCU1.7 R34.1 U4.5 | length 2595
  Top Layer w7: J3.3 85,1004.32 75.81,1013.51 75.81,1368.88 107.99,1401.06 394.83,1401.06 641.81,1648.04 641.81,1717.32 ; U4.5 641.81,1717.32 ; MCU1.7 1551.46,1903.78 1375.24,1727.56 R34.1 1160.24,1727.56 1120,1687.32 885.24,1687.32 860,1712.56 860,1820.69 815.88,1864.82 727.5,1864.82 716.2,1853.52 716.2,1728.52 705,1717.32 641.81,1717.32
VCC: C4.2 J3.2 J5.1 MCU1.20 R1.2 R14.2 R15.2 R20.2 R26.2 R32.2 R33.2 R34.2 R35.1 U1.10 U1.16 U2.10 U2.16 U3.10 U3.16 U4.8 U5.10 U5.16 U6.2 | length 10729.9
  Top Layer w7: MCU1.20 1705,1813.22 1709.1,1817.32 R1.2
  Top Layer w15: R32.2 R26.2 R20.2 R15.2 R14.2 115,1505.32 46,1436.32 46,843.11 54.79,834.32 206,834.32 224,852.32 224,1104.32 ; J3.2 224,1104.32 ; U4.8 792.41,1587.32 ; U1.10 867.41,1584.72 870,1587.32 ; R34.2 1292.41,1678.92 1280,1691.32 1155.58,1691.32 1101.81,1637.56 R33.2 1031.44,1637.56 981.2,1587.32 870,1587.32 ; R1.2 1830,1677.56 ; J5.1 1830,1677.56 ; v1(2105,1477.32) 2105.24,1477.56 U3.16 ; R35.1 3160.24,1952.56 3132.41,1924.72 C4.2 3132.41,1617.32 ; 224,1104.32 338,1104.32 375,1141.32 375,1332.32 403,1360.32 559,1360.32 568,1369.32 568,1476.96 U1.16 567.41,1541.44 613.29,1587.32 645,1587.32 ; 645,1587.32 792.41,1587.32 ; 645,1587.32 641.41,1583.72 641.41,1335.92 665,1312.32 1195,1312.32 1360.24,1477.56 U2.16 1417.41,1529.72 1425,1537.32 1533.22,1537.32 1542,1528.53 1542,1360.32 1565,1337.32 1780,1337.32 1855,1262.32 1980,1262.32 2045,1327.32 2560,1327.32 2710.24,1477.56 U5.16 2867.41,1528.53 2876.19,1537.32 2981,1537.32 2990,1528.32 2990,1412.32 3010,1392.32 3150,1392.32 3167.41,1409.72 U5.10 3167.41,1604.92 3155,1617.32 3132.41,1617.32 ; 792.41,1587.32 870,1587.32 ; 1830,1677.56 1735.04,1677.56 1717.41,1659.92 U2.10 1717.41,1429.92 1725,1422.32 1970,1422.32 1990,1442.32 1990,1572.32 2020,1602.32 2435,1602.32 2467.41,1569.92 2467.41,1426.11 2476.19,1417.32 2531.87,1417.32 2731.87,1617.32 3132.41,1617.32
  Bottom Layer w15: J5.1 2084.77,1677.56 2105,1657.32 v1(2105,1477.32)
pads on no net: MCU1.6 MCU1.17 U5.1 U5.2 U5.3 U5.4 U5.5 U5.6 U5.7 U5.9 U6.4

## Polygon pours and split planes (outlines as drawn)
GND on Top Layer "GND_L01_P000" (solid, pour order 0): 0,2488.32 3386,2488.32 3386,0.32 0,0.32
GND on Bottom Layer "GND_L02_P001" (solid, pour order 1): 0,2488.32 3386,2488.32 3386,0.32 0,0.32

## Keep-outs
Keep-Out Layer:
  circle w10: c3277.56,108.27 r49.21
  circle w10: c3277.56,2379.92 r49.21
  circle w10: c108.26,108.27 r49.21
  circle w10: c108.26,2379.92 r49.21
  lines w10: 0,0 0,2488.19 3385.82,2488.19 3385.82,0 0,0

## Silkscreen, mask and mechanical layers (free items; w line width, h text height)
Top Overlay:
  text "GND" at 2054.32,2049.56 h50
  text "BT1" at 424.69,1978.33 h50
  text "RET" at 2053.36,1952.33 h50
  text "BT2" at 418.36,1877.33 h50
  text "CLK" at 2053.36,1852.33 h50
  text "BT3" at 418.36,1777.33 h50
  text "DAT" at 2053.36,1752.33 h50
  text "BT4" at 418.36,1677.33 h50
  text "VCC" at 2053.36,1652.33 h50
  text "BT5" at 418.36,1577.33 h50
  text "GND" at 423.36,1477.33 h50
  text "GND" at 212.36,1180.33 h50
  text "VCC" at 214.36,1079.33 h50
  text "SDA" at 214.36,980.33 h50
  text "SCL" at 215.36,877.33 h50
  text "+" at 2909.21,669.2 h200
  text "-" at 2927.85,492.77 h200
  text "GND" at 280,185.68 h50 r90
  text "OUT1" at 2780,169.02 h50 r90
  text "OUT9" at 1980,160.68 h50 r90
  text "OUT8" at 2080,160.68 h50 r90
  text "OUT7" at 2180,160.68 h50 r90
  text "OUT6" at 2280,160.68 h50 r90
  text "OUT5" at 2380,160.68 h50 r90
  text "OUT4" at 2480,160.68 h50 r90
  text "OUT3" at 2580,160.68 h50 r90
  text "OUT2" at 2680,160.68 h50 r90
  text "OUT11" at 1780,148.19 h50 r90
  text "OUT21" at 780,144.02 h50 r90
  text "OUT19" at 980,139.86 h50 r90
  text "OUT18" at 1080,139.86 h50 r90
  text "OUT17" at 1180,139.86 h50 r90
  text "OUT16" at 1280,139.86 h50 r90
  text "OUT15" at 1380,139.86 h50 r90
  text "OUT14" at 1480,139.86 h50 r90
  text "OUT13" at 1580,139.86 h50 r90
  text "OUT12" at 1680,139.86 h50 r90
  text "OUT10" at 1880,139.86 h50 r90
  text "OUT25" at 380,135.69 h50 r90
  text "OUT24" at 480,135.69 h50 r90
  text "OUT23" at 580,135.69 h50 r90
  text "OUT22" at 680,135.69 h50 r90
  text "OUT20" at 880,135.69 h50 r90

## Text inside footprints (layer, text, board x,y; h text height)
C3: Top Overlay "+" at 3257.59,1028.31 h50 r180